# KiCad board nuevo5.kicad_pcb (continued)
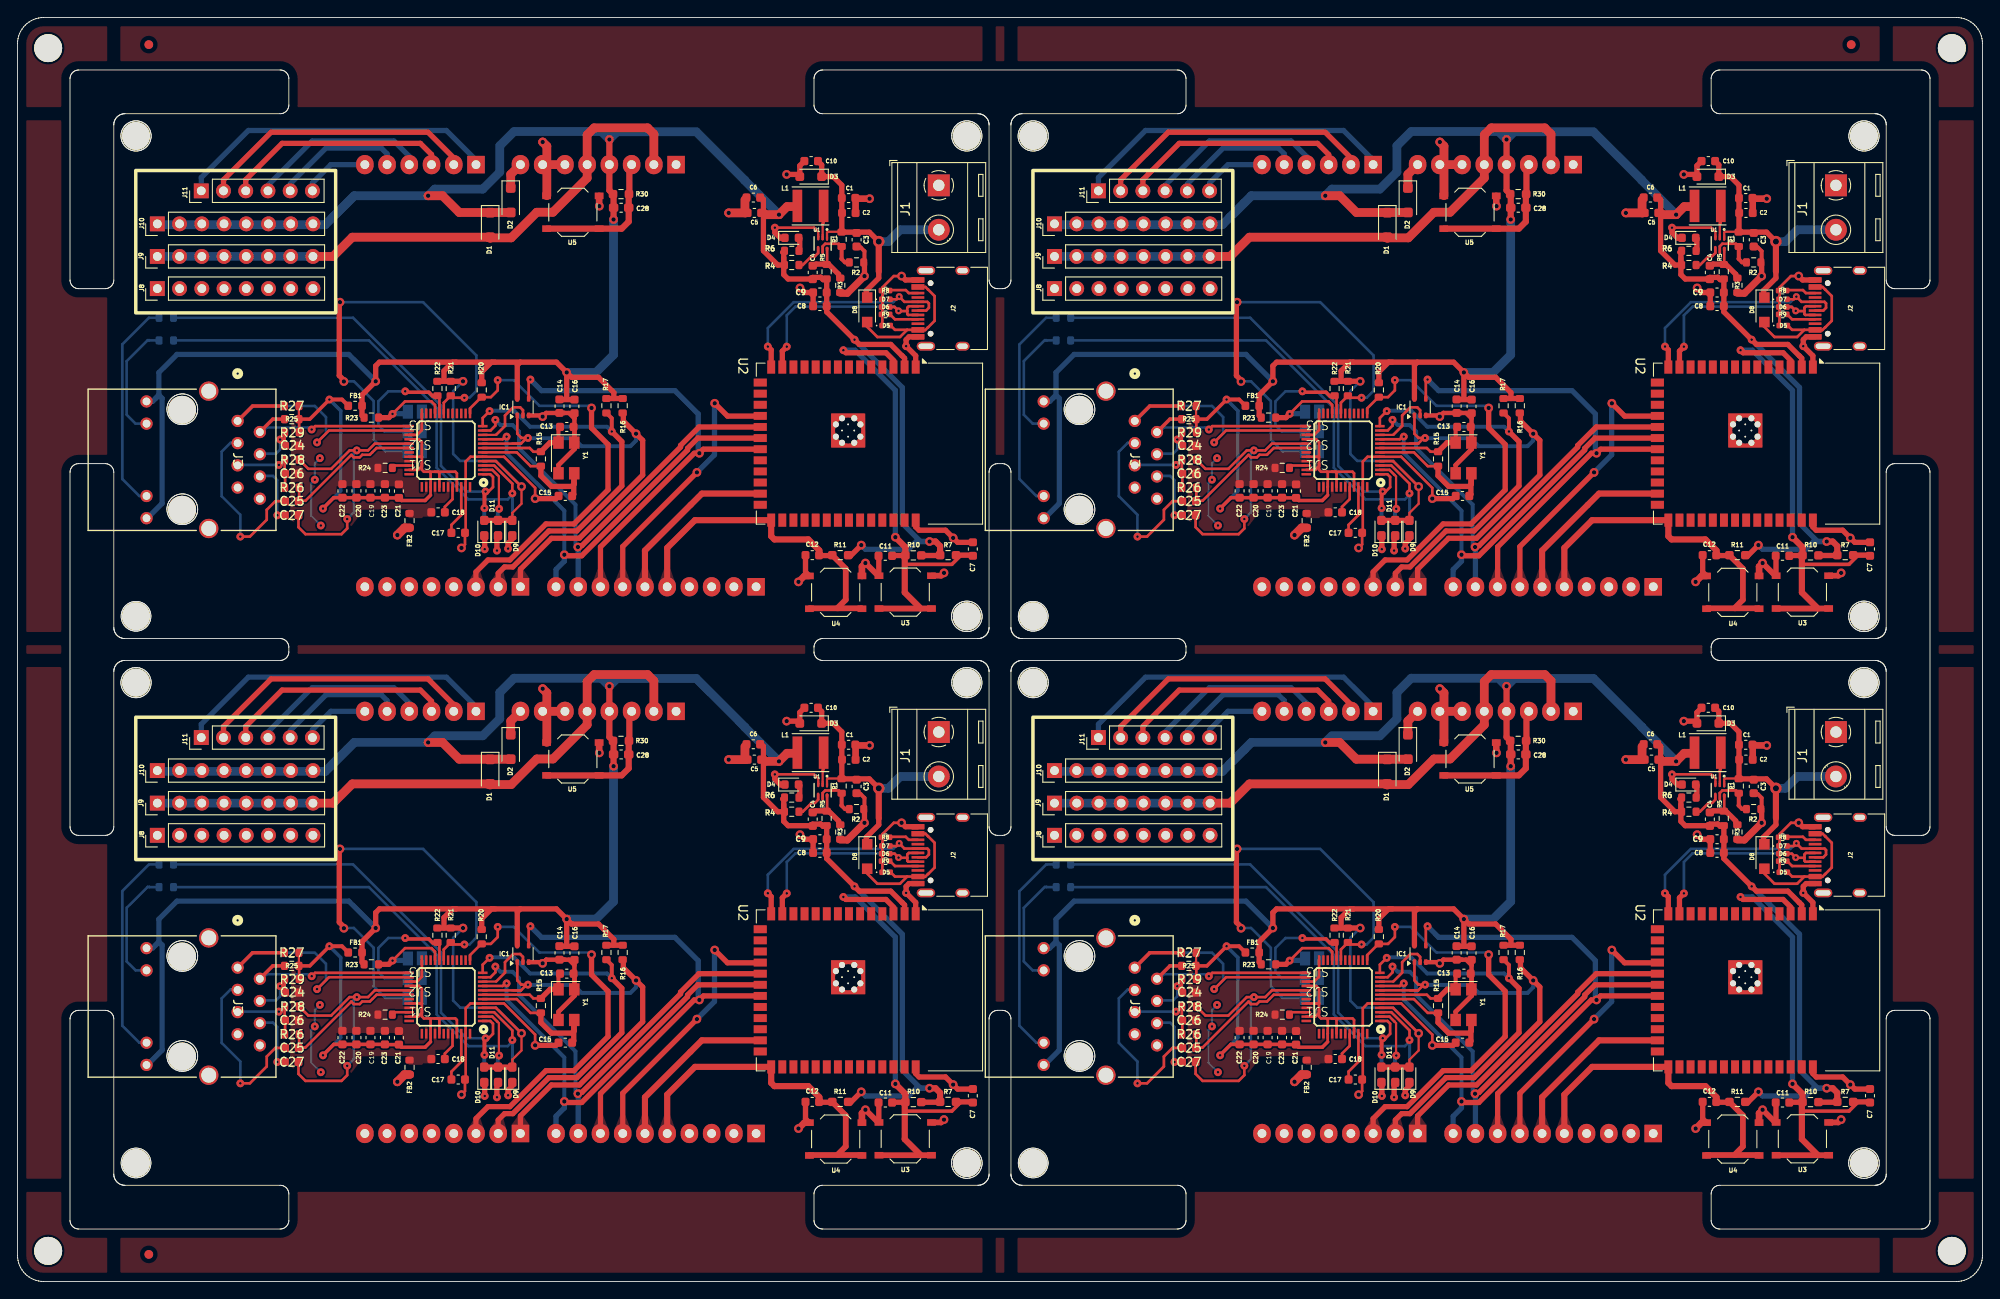
[diagram p0: board, top side]
## Routing (per net, layer and track width the routed paths; a pad name or vN(x,y) marks a point on that pad's centre or on a via; arc(x,y) is an arc through that point) (continued)
Board_1-Net-(U$1-XO): length 11.3
  Top w0.3: R15#4.1 161.44,94.86 161.01,95.28 U$1#4.31
  Top w0.45: Y1#2.1 164.3,97.47 164.54,97.7
  Top w0.6: R15#4.1 163.33,95.9 Y1#2.1 ; 164.18,95.96 164.26,95.87
Board_1-unconnected-(J3-NC-Pad7): length 0.4
  Bottom w0.3: 127.42,90.48 127.67,90.73
Board_1-VBAT: length 32.5
  Top w0.25: 196.86,120.02 196.84,120 195.08,120 194.99,119.91 194.99,119.11 ; U1#4.1 194.99,119.23
  Top w0.6: C10.1 194.37,127.66 D3#2.1 195.7,126.31 196.67,125.33 C1#3.1 ; 200.9,115.47 200.9,114.71 199.48,113.29 199.48,112.59 199.5,112.57 ; 196.67,124.06 196.67,120.2 196.92,119.96 199.83,119.96 v5(200.9,118.88) 200.89,118.87 200.89,118.41
  Top w0.7: 200.9,115.47 v5(200.9,118.88)
  Bottom w1: J1#3.2 203.35,120.23 202,118.88 v5(200.9,118.88)
Board_1-VIN: length 3.1
  Top w1: D2#2.1 158.85,126.57 J4.8
Board_2-+3V3: length 343.2
  Top w0.25: v1(57.58,28.37) 57.58,26.42 56.53,25.36 D9#2.2
  Top w0.3: U$1#2.28 54.66,31.28 57.58,28.37 v1(57.58,28.37)
  Top w0.6: D10#4.2 D11#3.2 D9#2.2 ; v1(50.9,40.41) R21.1 R22#2.1 ; 50.12,42.59 49.71,42.59 48.72,41.6 48.72,40.43 48.7,40.41 ; 50.12,42.59 57.44,42.59 ; 50.12,42.59 41.35,42.59 40.92,42.17 v1(40.92,40.41) 39.36,38.85 39.36,36.5 R23#4.1 ; C14.1 61.95,38.32 C16#3.1 ; 87.54,54.53 87.54,53.7 86.86,53.7 85.22,55.34 85.22,61.19 85.05,61.37 ; 57.44,42.59 61.58,42.59 v1(62.74,41.43) ; 57.44,42.59 57.1,42.26 IC1#3.5 ; R7#2.2 105.36,20.49 103.19,20.49 ; 101.41,42.09 U2#2.2 101.35,43.05 101.07,43.32 101.07,43.32 99.77,44.62 96.18,44.62 v2(95.63,45.17) 92.45,48.35 C8#4.1 92.45,52.02 92.44,52.03 92.04,52.03 91.77,52.3 91.76,52.29 90.85,52.29 90.67,52.11 88.04,52.11 87.54,52.61 87.54,55.3 87.41,55.16 ; R16#2.2 R17.2 ; 54.59,42.59 54.15,42.59 53.03,41.48 R20#3.1 ; 68.1,61.76 68.08,61.78 ; v1(62.74,41.43) 63.3,40.87 66.38,40.87 68.13,39.12 68.13,38.44 ; v1(62.74,41.43) 62.74,38.34 ; 94.91,20.49 95.2,20.49 v1(96.4,21.68)
  Top w0.7: C28#3.1 68.1,61.76 ; v1(104.2,22.09) 104.89,22.09 105.4,21.58 R7#2.2 ; 68.08,61.78 67.62,62.24 J4#2.4 v1(67.62,68.05) ; v1(68.1,58.91) 68.1,60.25
  Top w1: 89.1,60.38 87.92,60.38 v1(87,59.46) 85.42,59.46 85.22,59.66 ; 68.1,60.25 C28#3.1 ; D2#3.2 50.47,59.71 48.56,61.62 v1(46.92,61.62)
  Bottom w0.3: v1(57.58,28.37) 54.64,31.31 50.57,31.31 49.77,32.11 49.77,39.28 v1(50.9,40.41)
  Bottom w0.6: J3#2.9 15.42,38.11 16.15,38.84 ; 16.15,38.84 16.53,38.46 16.53,26.45 14.94,24.87 ; 16.15,38.84 15.75,38.44 ; 16.15,38.84 16.15,41.42 18.22,43.48 37.85,43.48 v1(40.92,40.41) ; v2(95.63,45.17) 101.09,39.7 101.09,24.16 103.17,22.09 v1(104.2,22.09) 102.69,22.09 101.8,21.21 96.87,21.21 v1(96.4,21.68)
  Bottom w1: v1(68.1,58.91) 68.1,43.43 66.09,41.43 v1(62.74,41.43) ; 35.99,59.13 35.16,58.31 16.08,58.31 J10#3.1 ; 35.99,59.13 38.48,61.62 ; 35.99,59.13 38.48,61.62 ; 38.48,61.62 v1(46.92,61.62) 47.68,62.38 53.15,62.38 55.1,64.33 55.1,67.33 56.73,68.97 66.71,68.97 ; 66.71,68.97 v1(67.62,68.05) 68.5,68.93 ; 66.71,68.97 68.47,68.97 68.5,68.93 ; 68.5,68.93 77.55,68.93 83.08,63.41 83.08,63.38 v1(87,59.46)
Board_2-+5V: length 69.5
  Top w1: 54,56.76 54.05,56.81 56.4,56.81 59.33,59.73 61.17,59.73 65.08,63.65 J4#2.5 65.08,68.59 65.88,69.38 71.99,69.38 72.7,68.67 J4#2.2 ; J9#4.8 36.05,54.68 38.25,56.88 D1#2.2
  Bottom w1: J9#4.8 J9#4.7 J9#4.6 J9#4.5 J9#4.4 J9#4.3 J9#4.2 J9#4.1
Board_2-/Archi/CS1: length 31.1
  Top w0.6: v1(79.65,37.9) 81.12,36.43 84.83,36.43 U2#2.18 ; J6#3.7 69.15,21.52 v1(77.62,30)
  Bottom w0.6: v1(77.62,30) 79.63,32 79.63,37.87 v1(79.65,37.9)
Board_2-/Archi/MISO: length 55.1
  Top w0.3: v2(58.6,40.61) 58.4,40.42 IC1#3.4
  Top w0.6: 66.6,16.93 J6#3.8 66.61,21.48 77.31,32.19 v1(77.9,32.19) 78.37,32.65 U2#2.21
  Bottom w0.6: v1(77.9,32.19) 77.77,32.31 77.77,36.68 75.11,39.34 59.87,39.34 v2(58.6,40.61) ; J6#3.8 66.6,16.93
Board_2-/Archi/READY: length 20
  Top w0.7: J6#3.6 71.69,21.06 78.19,27.57 U2#2.25
Board_2-/Archi/RUN: length 16.4
  Top w0.6: 69.83,61.71 69.9,61.78 ; 69.9,64.92 J4#2.3
  Top w0.7: 69.9,61.78 69.9,64.92 ; 69.83,61.71 C28#3.2 69.83,58.66 69.03,57.86 U5.1
Board_2-/Ethernet/ACTLED: length 59.3
  Top w0.25: 56.42,27.49 v2(56.53,27.6)
  Top w0.3: U$1#2.27 54.46,30.78 56.53,28.71 v2(56.53,27.6)
  Bottom w0.25: 56.48,27.54 v2(56.53,27.6) 56.55,27.58 ; R12#2.2 56.55,24.57
  Bottom w0.3: R18#2.2 40.15,45.08 47.89,37.35 47.89,30.53 51.51,26.91 56.01,26.91 56.53,27.43 v2(56.53,27.6)
  Bottom w0.35: 56.55,24.57 56.55,27.58
Board_2-/Ethernet/CS: length 52.1
  Top w0.3: 57.52,33.28 U$1#2.32 ; 57.52,33.28 56.6,33.28 ; 57.52,33.28 58.17,33.93 v2(58.32,33.93) 57.56,33.93 57.54,33.96 57.54,33.98 57.1,34.41 IC1#3.1
  Top w0.6: J7#2.1 57.46,18.93 61,22.47 64.2,22.47 71.42,29.69 71.42,33.66 v1(70.67,34.42) 69.21,35.87 69.21,36.72 R16#2.1
  Bottom w0.45: v2(58.32,33.93) 58.34,33.91 63.52,33.91 64.44,32.99 70.03,32.99 70.67,33.64 v1(70.67,34.42)
Board_2-/Ethernet/DUPLED: length 6.8
  Top w0.25: 54.82,29.71 54.83,29.71 55,29.53 55,26.21
  Top w0.3: 54.82,29.71 54.25,30.28 U$1#2.26
  Bottom w0.25: 54.88,25.68 v2(55.03,25.83)
  Bottom w0.45: R14.2 54.88,25.68
Board_2-/Ethernet/GREENLED: length 24.8
  Bottom w0.3: J3#2.11 13.91,27.3 11.97,29.24 11.97,44.63 15.02,47.67 R19#3.1
  Bottom w0.6: J3#2.11 14.48,27.56
Board_2-/Ethernet/INTN: length 45.9
  Top w0.3: v2(53.94,37) 53.15,36.22 U$1#2.36
  Top w0.45: v2(67.89,34.67) 67.89,36.18 R17.1
  Top w0.6: v2(67.89,34.67) 69.04,33.52 69.04,28.44 63.9,23.3 60.71,23.3 56.59,19.19 55.65,19.19 54.92,18.47 J7#2.2
  Bottom w0.45: v2(53.94,37) 53.99,37.06 56.72,37.06 58.57,35.21 67.35,35.21 v2(67.89,34.67)
Board_2-/Ethernet/LINKLED: length 54.8
  Top w0.25: 53.35,27.68 v2(53.48,27.81)
  Top w0.3: v2(53.48,27.81) 53.82,27.81 54.32,28.31 54.32,29.47 54.01,29.78 U$1#2.25
  Top w0.45: v2(53.35,25.91) 53.35,27.68
  Bottom w0.25: 53.33,25.88 v2(53.35,25.91)
  Bottom w0.3: R19#3.2 38.33,47.67 48.39,37.62 48.39,30.74 51.31,27.81 v2(53.48,27.81)
  Bottom w0.45: R13#3.2 53.33,25.88
Board_2-/Ethernet/MISO: length 7.3
  Top w0.25: 54.73,34.33 54.68,34.28 U$1#2.34
  Top w0.3: IC1#3.2 57.75,37.11 57.43,37.43 56.63,37.43 55.7,36.5 55.7,35.3 54.73,34.33
Board_2-/Ethernet/MOSI: length 52.9
  Top w0.3: U$1#2.35 54.04,34.78 54.6,35.34 v2(54.6,36)
  Top w0.6: U2#2.19 77.86,35.19 75.75,33.08 75.75,32.89 64.48,21.61 64.17,21.61 v1(64.02,21.47)
  Bottom w0.25: 64.07,21.42 v1(64.02,21.47)
  Bottom w0.45: v2(54.6,36) 55.19,35.41 56.57,35.41 57.29,34.68 57.29,32.77 63.75,26.31 63.75,21.47 v1(64.02,21.47)
  Bottom w0.6: J6#3.9 64.07,21.42
Board_2-/Ethernet/RESET: length 49
  Top w0.3: v2(54.86,40.54) 54.86,39.38 54.08,38.59 52.99,38.59 51.7,37.31 U$1#2.37
  Top w0.6: 52.76,16.92 J7#2.3 52.38,18.62 53.75,19.99 56.26,19.99 60.38,24.1 63.57,24.1 67.47,28 67.47,33.19 65.58,35.07 v1(65.58,37.36)
  Bottom w0.3: v2(54.86,40.54) 56.69,40.54 59.62,37.61 65.34,37.61 v1(65.58,37.36)
Board_2-/Ethernet/RX+: length 16.8
  Top w0.3: R26#3.2 32.18,26.75 32.89,26.75 38.14,32 38.43,31.71 39.09,31.71 39.39,32.01 40.26,32.01 41.03,32.78 U$1#2.6
Board_2-/Ethernet/RX-: length 31.1
  Top w0.3: U$1#2.5 40.82,33.28 40.05,32.51 v2(38.76,32.51) 37.94,32.51 35.84,30.4 33.22,30.4 R28#2.2 ; C27#4.2 32.1,23.73 32.9,22.94 37.01,22.94 37.67,23.59 v2(37.67,24.66)
  Bottom w0.3: v2(37.67,24.66) 38.4,25.4 38.4,32.16 v2(38.76,32.51)
Board_2-/Ethernet/SCK: length 51.3
  Top w0.3: v2(55.88,34.08) 55.73,34.08 55.43,33.78 U$1#2.33
  Top w0.6: U2#2.20 77.73,33.92 76.55,32.75 76.55,32.56 64.46,20.46 62.59,20.46 v1(62.48,20.58) ; 61.47,16.97 J6#3.10
  Bottom w0.45: v2(55.88,34.08) 55.88,32.21 62.48,25.61 v1(62.48,20.58)
  Bottom w0.6: v1(62.48,20.58) 62.48,19.84 61.53,18.89 J6#3.10
Board_2-/Ethernet/TX+: length 32.2
  Top w0.3: v2(34.22,33.43) 35.58,34.78 U$1#2.2 ; 30.34,37.58 30.5,37.42 30.5,37.6
  Top w0.4: R27#3.1 26.86,37.58 J3#2.1
  Bottom w0.3: J3#2.1 25.27,35.88 26.98,37.58 33.98,37.58 35.24,36.32 35.24,34.45 v2(34.22,33.43)
Board_2-/Ethernet/TX-: length 21.6
  Top w0.3: v2(33.61,34.9) 34,35.28 U$1#2.1 ; J3#2.2 27.98,34.89 ; 30.52,36.08 30.53,36.08
  Top w0.4: J3#2.2 29.17,36.08 R25#2.1
  Bottom w0.254: 27.74,34.61 27.71,34.58
  Bottom w0.3: 33.67,34.66 33.2,35.13 28.47,35.13 28,34.66 ; 27.73,34.67 27.95,34.9
Board_2-/Ethernet/YELLOWLED: length 13.5
  Bottom w0.3: J3#2.10 13.49,35.57 12.47,36.59 12.47,42.71 14.87,45.11 15.04,45.11 15.07,45.08 R18#2.1
Board_2-/MCU-WiFi/CHIP_PU: length 57.8
  Top w0.25: R10.1 101.37,20.44 101.37,19.53 101.42,19.48
  Top w0.4: 101.42,19.48 106.75,19.48 107.78,20.51 107.78,20.53
  Top w0.6: 100.14,42.75 99.22,43.67 94.65,43.67 v2(94.36,43.96) ; R10.1 101.42,20.49 99.85,20.49 ; C7#3.1 109.07,20.53 R7#2.1 107.14,20.53
  Top w0.65: U3.2 U3.2
  Top w0.7: R10.1 101.44,21.45 v1(100.29,22.59) ; 103.2,14.43 101.37,16.27 101.37,20.49
  Bottom w0.6: v1(100.29,22.59) 100.29,39.37 95.7,43.96 v2(94.36,43.96)
Board_2-/MCU-WiFi/D+: length 28.1
  Top w0.3: 99.53,49.78 100.43,49.78 v3(100.74,50.09) 101.33,49.49 J2#4.B6 103.95,49.49 104.12,49.32 104.12,48.81 103.81,48.49 J2#4.A6
  Top w0.6: U2#2.14 86.11,44 v2(85.72,44.38)
  Bottom w0.3: 100.71,50.11 100.05,49.45 88.68,49.45 85.72,46.5 v2(85.72,44.38)
  Bottom w0.6: v3(100.74,50.09) 100.71,50.11
Board_2-/MCU-WiFi/D-: length 25.2
  Top w0.3: 101.66,48.44 101.66,48.09 101.76,47.99 J2#4.B7 ; 101.66,48.44 101.66,48.82 101.83,48.99 J2#4.A7 ; 101.66,48.44 100.68,48.44 v3(100.66,48.46) 100.22,48.9 99.51,48.9 99.45,48.85
  Top w0.6: U2#2.13 87.38,43.86 v2(87.89,44.37)
  Bottom w0.3: v2(87.89,44.37) 87.89,47.95 88.88,48.95 100.17,48.95 v3(100.66,48.46)
Board_2-/MCU-WiFi/GPIO0: length 41
  Top w0.25: 93.65,14.46 93.78,14.46
  Top w0.6: 93.08,20.49 91.61,20.49
  Top w0.65: U4#4.2 90.53,14.46 96.43,14.46 U4#4.2 ; R11.1 94.63,18.99 94.63,15.43 93.65,14.46
  Top w0.7: J6#3.5 74.23,21.36 77.4,24.53 U2#2.27 86.11,22.7 86.48,22.33 90.35,22.33 91.61,21.07 91.61,20.49
Board_2-AGND: length 3.6
  Top w0.3: U$1#2.48 46.2,34.84 45.64,34.28 U$1#2.3
Board_2-AVDD: length 55.8
  Top w0.25: R25#2.2 R27#3.2 ; 33.38,36.08 33.38,36.08
  Top w0.3: U$1#2.17 48.2,29.92 48.05,30.07 47.67,30.07 ; 32.18,37.58 32.15,37.6 ; U$1#2.8 46.01,31.78 46.02,31.77 46.2,31.77 ; 46.2,31 46.2,30.3 46.42,30.07 47.1,30.07 ; 46.2,31 46.2,30.71 45.77,30.28 U$1#2.11 ; 46.2,31 46.2,31.77 ; U$1#2.21 50.2,29.9 50.02,30.07 47.67,30.07 ; 47.67,30.07 47.1,30.07 ; 47.1,30.07 47.2,29.97 U$1#2.15 47.19,28.33 47.19,27.4 ; 46.2,31.77 46.2,33.46 45.88,33.78 U$1#2.4 ; 42,27.08 C23.1 ; 32.18,34.53 32.18,36.08
  Top w0.4: 33.38,36.08 R25#2.2 ; 47.19,27.4 46.57,26.78 43.87,26.78 C21#2.1 42,27.08 ; C23.1 C19#4.1 C20#4.1 C22.1 36.13,27.11 34.9,25.87 v2(34.9,25.86) ; v2(35.64,38.33) 33.38,36.08
  Top w0.45: FB1#4.2 37.07,38.33 v2(35.64,38.33)
  Bottom w0.4: v2(34.9,25.86) 36.93,27.89 36.93,37.03 v2(35.64,38.33)
Board_2-GND: length 127.9
  Top w0.25: 95.8,61.28 C1#4.2 95.75,61.33 ; 63.6,36.79 C16#3.2 ; 91.49,56.63 U1#2.3 91.49,56.92 91.49,57.48 91.29,57.68 ; 63.6,35.19 63.59,35.2 63.63,35.24 ; U3.1 98.4,18.2
  Top w0.3: 98.76,49.21 98.81,49.17 98.81,47.44 ; v1(50.72,21.36) 51.12,21.76 C17#2.2 51.2,23.16 U$1#2.23 51.2,31.23 51.75,31.78 U$1#2.29 55.58,31.78 59.14,28.23 v1(59.14,27) 59.34,26.8 ; 98.8,47.35 98.8,46.79 98.79,46.78 ; 91.29,57.68 91,57.97 v2(86.53,57.97) ; v1(101,52.44) 100.12,52.44 98.83,51.15 98.83,50.19 98.8,50.16 98.8,49.25
  Top w0.45: 95.87,55.73 96.32,55.73 96.77,55.28 96.77,54
  Top w0.5: 63.63,32.66 63.63,35.16 63.59,35.2 ; 63.63,32.66 61.8,30.83 ; 63.63,32.66 63.63,33.37 63.6,33.4 ; 62.49,36.79 60.41,36.79 ; 62.49,36.79 C14.2 ; 62.49,36.79 63,36.79 63.63,36.17 ; 60.41,36.79 v1(59.99,36.37) ; 60.41,36.79 60.13,36.51 IC1#3.3 ; 61.8,30.83 61.8,29.9 ; 61.8,30.83 63.63,32.66 63.63,36.17 ; 63.63,36.17 C16#3.2
  Top w0.6: 90.43,18.21 90.03,18.61 C12#4.2 ; 98.4,18.2 98.4,20.51 ; 87.58,56.78 87.17,56.78 86.53,57.42 v2(86.53,57.97) ; C7#3.2 109.13,22 107.41,22 v1(106.9,22.51) 106.02,23.38 103,23.38 102.62,23.76 U2#2.40 ; U2#2.1 102.62,43.33 v2(101.52,44.42) 101.52,45.16 101.86,45.49 J2#4.A1 ; v1(101,52.44) 101.45,51.99 J2#4.A12 ; C15#4.2 61.51,27 v1(59.14,27) ; C8#4.2 C9.2 89.92,50.56 v1(89.4,51.08) ; v1(96.77,52.43) 96.77,54 ; C10#2.2 89.38,65.06 D3#4.2 89.13,64.06 v1(87.88,64.06)
  Top w0.65: U3.1 105.53,18.18 v1(105.85,18.51) ; v1(96.88,19.63) 98.31,18.2 98.4,18.2
  Top w0.75: U5.2 66.45,60.46 v1(66.48,60.43) ; U4#4.1 89.9,18.16 v1(89.23,17.48) ; U4#4.1 96.48,19.23 v1(96.88,19.63) ; v1(97.35,61.28) 95.8,61.28 ; C2#3.2 95.75,61.33
  Top w0.8: 94,50.47 94.81,50.47 v1(96.77,52.43)
  Top w1: J4#2.6 J4#2.7 ; FB2.1 44.22,23.66 v1(43.4,22.83) ; 60.48,61.63 60.48,67.29 v1(60,67.77) ; 83.11,61.16 83.11,59.7 83.15,59.66 v1(81.25,59.66)
  Top w1.2: 104.93,62.91 105.2,62.91
  Bottom w0.25: v2(34.55,31.62) 33.97,31.04 v2(33.97,29.16) 33.56,28.75 33.56,25.02 v2(34.65,23.93)
  vias: v4(94.9,34.78)
Board_2-Net-(D4-A): length 1.5
  Top w0.6: 89.37,55.32 89.37,56.75 89.33,56.78
Board_2-Net-(D5-A2): length 17
  Top w0.3: 99.76,46.78 100.25,46.29 101.65,46.29 ; 101.65,46.29 J2#4.A4 102.9,46.26 103.7,46.26 104.02,46.58 104.03,46.58 104.78,47.32 104.78,50.15 104.02,50.91 104.02,50.91 103.73,51.19 J2#4.A9 ; 101.65,46.29 100.83,45.47 98.24,45.47 97,46.71 97,47.27 96.93,47.19
Board_2-Net-(D9-K): length 1.7
  Top w0.25: 56.53,22.36 D9#2.1
  Top w0.6: 56.53,22.36 56.05,21.88 v2(56.05,21.28)
  Bottom w0.25: 56.05,21.36 v2(56.05,21.28)
Board_2-Net-(D10-K): length 1.8
  Top w0.25: 53.38,22.71 D10#4.1
  Top w0.6: 53.38,22.71 v2(53.38,21.21) 53.3,21.29
  Bottom w0.6: v2(53.38,21.21) 53.3,21.29
Board_2-Net-(D11-K): length 1.8
  Top w0.25: 54.78,22.63 D11#3.1
  Top w0.6: v2(54.78,21.06) 54.78,22.63
Board_2-Net-(J2-CC1): length 3.4
  Top w0.3: J2#4.A5 100.25,47.49 R9.1
Board_2-Net-(J2-CC2): length 3.3
  Top w0.3: 99.73,50.81 99.76,50.84 101.48,50.84 101.83,50.49 J2#4.B5
Board_2-Net-(J3-RCT): length 8.8
  Top w0.3: v2(29.86,30.85) 29.92,30.85 R28#2.1 30.53,29.9 C26#3.1 30.58,28.3 R26#3.1
  Bottom w0.3: v2(29.86,30.85) 25.19,30.85
Board_2-Net-(J3-RD+): length 20.3
  Top w0.3: C25#2.1 29.46,26.7 28.48,25.72 28.48,24.58 26.55,22.66 v2(25.46,22.66)
  Bottom w0.3: 25.19,33.39 24.36,33.39 23.32,32.36 23.32,27.28 25.46,25.15 v2(25.46,22.66)
Board_2-Net-(J3-RD-): length 7
  Top w0.3: C27#4.1 30.54,25.09 v2(29.69,25.09)
  Bottom w0.3: v2(29.69,25.09) 29.67,25.11 29.67,29.11 29.19,29.59 27.73,29.59
Board_2-Net-(J3-TCT): length 6.2
  Top w0.3: 30.53,34.53 30.53,33.03 30.58,32.98 30,33.55 v2(30,33.76)
  Bottom w0.3: 27.73,32.13 29.52,32.13 30,32.61 v2(30,33.76)
Board_2-Net-(J11-Pin_1): length 37.1
  Bottom w0.45: J11#2.1 21,62.83
  Bottom w0.6: 21,62.83 21,63.7 26.38,69.08 49,69.08 52.38,65.7 J5.1
Board_2-Net-(J11-Pin_2): length 31.8
  Top w0.6: J5.2 49.84,65.94 46.9,68.88 28.98,68.88 23.54,63.44 J11#2.2
Board_2-Net-(J11-Pin_3): length 25.9
  Top w0.6: J5.3 47.3,66.33 46.03,67.61 30.23,67.61 26.08,63.46 J11#2.3
Board_2-Net-(J11-Pin_4): length 20.6
  Bottom w0.45: J11#2.4 28.62,62.82
  Bottom w0.6: J5.4 44.76,66.12 43,67.88 33.68,67.88 28.62,62.82
Board_2-Net-(J11-Pin_5): length 15.1
  Bottom w0.45: J11#2.5 31.16,62.99
  Bottom w0.6: 31.16,62.99 35.25,67.08 41.55,67.08 42.22,66.41 J5.5
Board_2-Net-(J11-Pin_6): length 7.8
  Bottom w0.6: J5.6 35.8,65.18 33.7,63.08 J11#2.6
Board_2-Net-(SJ1-A): length 50.7
  Top w0.3: v1(37.29,40.39) 37.36,40.46 ; v2(51.05,38.53) 49.73,38.53 R21.2 48.7,37.96 U$1#2.43
  Top w0.6: v1(36.84,49.45) 36.76,49.38 36.76,41.06 37.36,40.46
  Bottom w0.3: v2(51.05,38.53) 51.64,38.53 52.43,39.31 52.43,43.36 46.34,49.45 v1(36.84,49.45) ; 44.58,32.61 44.8,32.82 ; SJ1#3.1 42.04,32.4 40.69,33.76 40.69,38.15 38.43,40.41 37.36,40.41
Board_2-Net-(SJ2-A): length 15.9
  Top w0.3: 48.02,38.71 48.2,38.53 U$1#2.44
  Top w0.4: v2(44.3,39.26) 44.4,39.16 47,39.16 47.45,38.71 48.02,38.71
  Bottom w0.3: SJ2#2.1 41.92,34.68 41.22,35.38 41.22,38.12 42.36,39.26 v2(44.3,39.26)
Board_2-Net-(SJ3-A): length 10.1
  Top w0.3: U$1#2.45 47.7,37.71 47.3,38.11 44.27,38.11 v2(42.85,36.68)
  Top w0.6: v2(42.85,36.68) 42.42,36.26 R23#4.2
  Bottom w0.6: v2(42.85,36.68) 42.87,36.71 44.62,36.71
Board_2-Net-(U1-EN): length 5.9
  Top w0.25: 94.28,55.66 94.35,55.72
  Top w0.3: 94.36,55.69 94.32,55.73 94.16,55.73 R1#2.1 93.84,56.13 92.28,56.13 91.99,55.84 91.99,55.08
  Top w0.45: 94.94,54 94.55,54 94.14,54.41 94.16,54.43 94.16,55.73
Board_2-Net-(U1-FB): length 5.4
  Top w0.3: 92.44,53.85 92.5,53.91 92.5,55.63 92.49,55.63 U1#2.6
  Top w0.6: 91.18,53.75 91.24,53.81 92.39,53.81 92.44,53.85 92.6,53.85 93.82,52.64 93.82,52.47
Board_2-Net-(U1-PG): length 3.3
  Top w0.3: 89.37,53.7 89.72,53.7 90.72,54.7 91.11,54.7 91.47,55.07 91.47,55.74
Board_2-Net-(U1-SW): length 5.9
  Top w0.25: 91.99,58.41 92.1,58.52 L1#4.1 ; 91.99,58.41 91.99,60.27 92.1,60.38 ; 91.99,58.41 U1#2.2 91.99,56.65 91.99,56.64
Board_2-Net-(U$1-1V20): length 5.7
  Top w0.3: U$1#2.22 50.7,25.12 49.57,24 49.57,23.23 49.69,23.11
Board_2-Net-(U$1-EXRES1): length 2
  Top w0.3: U$1#2.10 43.1,30.78 R24#4.1
Board_2-Net-(U$1-TOCAP): length 3.3
  Top w0.3: C18#4.1 48.82,26.06 49.7,26.93 U$1#2.20
Board_2-Net-(U$1-XI/CLKIN): length 16.9
  Top w0.3: 63.37,29.66 63.6,29.9 ; U$1#2.30 57.05,32.28 58.62,30.71 R15#3.2
  Top w0.6: R15#3.2 59.8,29.61 61.01,28.39 63.34,28.39 63.6,28.66 63.6,29.9 ; 63.37,29.66 63.55,29.48 63.55,27.49 C15#4.1
Board_2-Net-(U$1-XO): length 11.3
  Top w0.3: R15#3.1 58.94,32.36 58.52,32.78 U$1#2.31
  Top w0.45: 62.04,35.2 61.8,34.97 Y1.1
  Top w0.6: Y1.1 60.83,33.4 R15#3.1 ; 61.68,33.46 61.76,33.37
Board_2-unconnected-(J3-NC-Pad7): length 0.4
  Bottom w0.3: 24.92,27.98 25.17,28.23
Board_2-VBAT: length 32.5
  Top w0.25: 92.49,56.61 92.49,57.41 92.58,57.5 94.34,57.5 94.36,57.52 ; U1#2.1 92.49,56.73
  Top w0.6: 97,50.07 96.98,50.09 96.98,50.79 98.4,52.21 98.4,52.97 ; 98.39,55.91 98.39,56.37 v5(98.4,56.38) 97.33,57.46 94.42,57.46 94.18,57.7 94.18,61.56 ; C1#4.1 94.18,62.83 93.2,63.81 D3#4.1 91.88,65.16 C10#2.1
  Top w0.7: 98.4,52.97 v5(98.4,56.38)
  Bottom w1: J1#4.2 100.86,57.73 99.51,56.38 v5(98.4,56.38)
Board_2-VIN: length 3.1
  Top w1: J4#2.8 56.35,64.07 D2#3.1
Board_3-+3V3: length 343.2
  Top w0.25: v1(160.08,28.37) 160.08,26.42 159.03,25.36 D9.2
  Top w0.3: U$1#3.28 157.16,31.28 160.08,28.37 v1(160.08,28.37)
  Top w0.6: 190.04,54.53 190.04,53.7 189.35,53.7 187.72,55.34 187.72,61.19 187.55,61.37 ; 152.62,42.59 152.21,42.59 151.22,41.6 151.22,40.43 151.2,40.41 ; 152.62,42.59 159.94,42.59 ; 152.62,42.59 143.85,42.59 143.42,42.17 v1(143.42,40.41) 141.86,38.85 141.86,36.5 R23.1 ; 203.91,42.09 U2#4.2 203.85,43.05 203.57,43.32 203.57,43.32 202.27,44.62 198.67,44.62 v2(198.13,45.17) 194.95,48.35 C8.1 194.95,52.02 194.94,52.03 194.54,52.03 194.27,52.3 194.26,52.29 193.35,52.29 193.17,52.11 190.54,52.11 190.04,52.61 190.04,55.3 189.91,55.16 ; IC1#2.5 159.6,42.26 159.94,42.59 ; 170.6,61.76 170.58,61.78 ; v1(165.24,41.43) 165.24,38.34 ; v1(165.24,41.43) 165.8,40.87 168.88,40.87 170.63,39.12 170.63,38.44 ; v1(165.24,41.43) 164.08,42.59 159.94,42.59 ; R20.1 155.53,41.48 156.65,42.59 157.09,42.59 ; v1(153.4,40.41) R21#4.1 R22#3.1 ; 197.41,20.49 197.7,20.49 v1(198.9,21.68) ; R7#4.2 207.86,20.49 205.69,20.49 ; D9.2 D11#4.2 D10#2.2 ; C14#2.1 164.45,38.32 C16#4.1 ; R16#3.2 R17#2.2
  Top w0.7: v1(170.6,58.91) 170.6,60.25 ; 170.58,61.78 170.12,62.24 J4#4.4 v1(170.12,68.05) ; v1(206.7,22.09) 207.39,22.09 207.9,21.58 R7#4.2 ; C28.1 170.6,61.76
  Top w1: 187.72,59.66 187.92,59.46 v1(189.5,59.46) 190.42,60.38 191.6,60.38 ; v1(149.41,61.62) 151.05,61.62 152.97,59.71 D2#4.2 ; 170.6,60.25 C28.1
  Bottom w0.3: v1(153.4,40.41) 152.27,39.28 152.27,32.11 153.07,31.31 157.14,31.31 v1(160.08,28.37)
  Bottom w0.6: 118.65,38.84 117.92,38.11 J3#4.9 ; 118.65,38.84 118.65,41.42 120.72,43.48 140.35,43.48 v1(143.42,40.41) ; 118.65,38.84 118.25,38.44 ; 118.65,38.84 119.02,38.46 119.02,26.45 117.44,24.87 ; v2(198.13,45.17) 203.59,39.7 203.59,24.16 205.66,22.09 v1(206.7,22.09) 205.18,22.09 204.3,21.21 199.37,21.21 v1(198.9,21.68)
  Bottom w1: v1(165.24,41.43) 168.59,41.43 170.6,43.43 v1(170.6,58.91) ; J10.1 118.57,58.31 137.66,58.31 138.48,59.13 ; 138.48,59.13 140.97,61.62 ; 138.48,59.13 140.97,61.62 ; 169.21,68.97 170.97,68.97 171,68.93 ; 169.21,68.97 159.23,68.97 157.6,67.33 157.6,64.33 155.65,62.38 150.17,62.38 v1(149.41,61.62) 140.97,61.62 ; 169.21,68.97 v1(170.12,68.05) 171,68.93 ; 171,68.93 180.05,68.93 185.58,63.41 185.58,63.38 v1(189.5,59.46)
Board_3-+5V: length 69.5
  Top w1: J9#3.8 138.55,54.68 140.75,56.88 D1#3.2 ; 156.5,56.76 156.55,56.81 158.9,56.81 161.82,59.73 163.67,59.73 167.58,63.65 J4#4.5 167.58,68.59 168.38,69.38 174.49,69.38 175.2,68.67 J4#4.2
  Bottom w1: J9#3.1 J9#3.2 J9#3.3 J9#3.4 J9#3.5 J9#3.6 J9#3.7 J9#3.8
Board_3-/Archi/CS1: length 31.1
  Top w0.6: v1(180.12,30) 171.65,21.52 J6#2.7 ; v1(182.15,37.9) 183.62,36.43 187.33,36.43 U2#4.18
  Bottom w0.6: v1(180.12,30) 182.13,32 182.13,37.87 v1(182.15,37.9)
Board_3-/Archi/MISO: length 55.1
  Top w0.3: v2(161.1,40.61) 160.9,40.42 IC1#2.4
  Top w0.6: 169.1,16.93 J6#2.8 169.11,21.48 179.81,32.19 v1(180.4,32.19) 180.86,32.65 U2#4.21
  Bottom w0.6: J6#2.8 169.1,16.93 ; v1(180.4,32.19) 180.27,32.31 180.27,36.68 177.61,39.34 162.37,39.34 v2(161.1,40.61)
Board_3-/Archi/READY: length 20
  Top w0.7: U2#4.25 180.69,27.57 174.19,21.06 J6#2.6
Board_3-/Archi/RUN: length 16.4
  Top w0.6: 172.33,61.71 172.4,61.78 ; 172.4,64.92 J4#4.3
  Top w0.7: 172.4,61.78 172.4,64.92 ; U5#3.1 171.52,57.86 172.33,58.66 C28.2 172.33,61.71
Board_3-/Ethernet/ACTLED: length 59.3
  Top w0.25: 158.92,27.49 v2(159.03,27.6)
  Top w0.3: U$1#3.27 156.96,30.78 159.03,28.71 v2(159.03,27.6)
  Bottom w0.25: 159.05,27.58 v2(159.03,27.6) 158.97,27.54 ; R12.2 159.05,24.57
  Bottom w0.3: v2(159.03,27.6) 159.03,27.43 158.51,26.91 154.01,26.91 150.39,30.53 150.39,37.35 142.65,45.08 R18#3.2
  Bottom w0.35: 159.05,24.57 159.05,27.58
Board_3-/Ethernet/CS: length 52.1
  Top w0.3: 160.02,33.28 U$1#3.32 ; 160.02,33.28 160.67,33.93 v2(160.82,33.93) 160.06,33.93 160.04,33.96 160.04,33.98 159.6,34.41 IC1#2.1 ; 160.02,33.28 159.1,33.28
  Top w0.6: R16#3.1 171.71,36.72 171.71,35.87 v1(173.17,34.42) 173.92,33.66 173.92,29.69 166.7,22.47 163.5,22.47 159.96,18.93 J7#4.1